# Altium PCB usb_can_8.PcbDoc (part 3 of 4)
Units mil, origin at the board's own origin, x right, y up, seen from the top; angles counter-clockwise.
Board outline 3730 x 3762.41 mil, 2 copper layers (Top Layer, Bottom Layer); 368 components, 37 nets, 1564 pads, 1600 vias.
Unrouted connection lines stored in the file: 259.
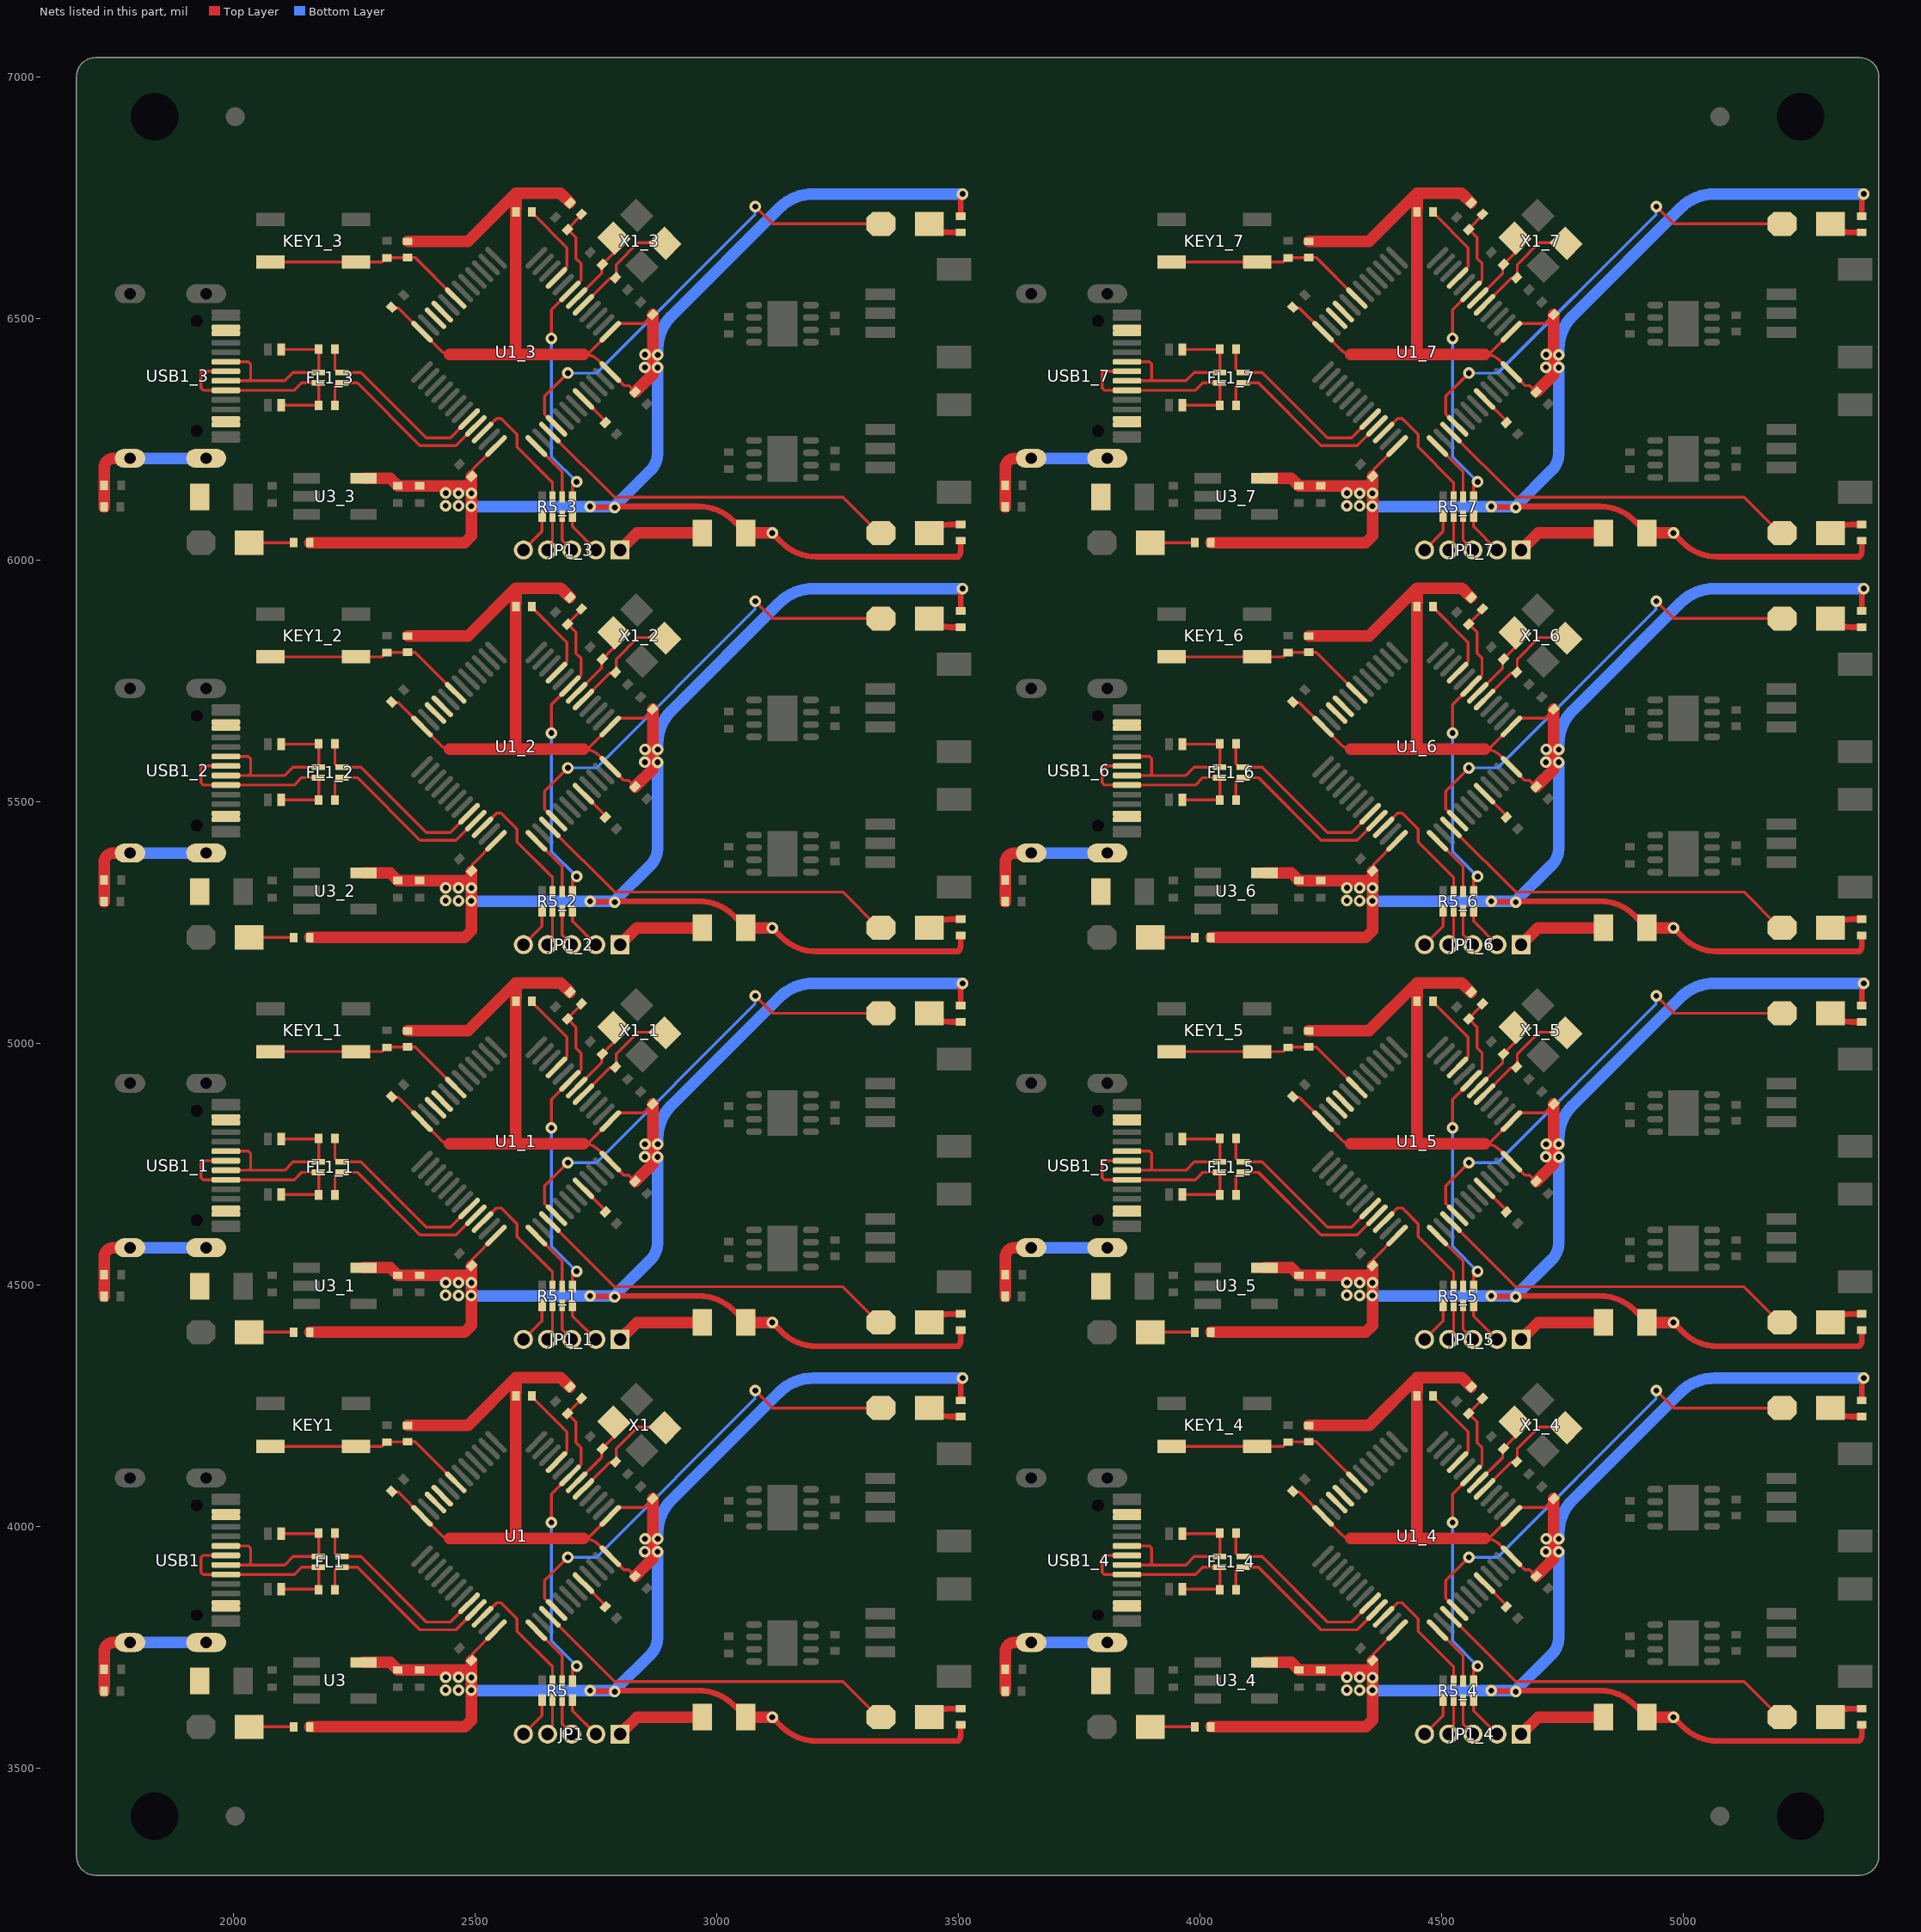
[diagram p3: the nets of this part, all layers, seen from the top]

## Via types
v1: diameter 24, hole 12, Top Layer to Bottom Layer, tented both sides, 1600 vias

## Nets (pads, with @x,y where several pads share a name; then routed paths per layer and width w, separated by ;. In a path a pad name is that pad's centre, name@x,y a point inside that pad or via, vN(x,y) a via of type N, cw(c..) or ccw(c..) an arc to the next point about the centre after c; other vN are vias at no path point) (continued)
KEY: C12.2 C12_1.2 C12_2.2 C12_3.2 C12_4.2 C12_5.2 C12_6.2 C12_7.2 KEY1.1 KEY1_1.1 KEY1_2.1 KEY1_3.1 KEY1_4.1 KEY1_5.1 KEY1_6.1 KEY1_7.1 R6.2 R6_1.2 R6_2.2 R6_3.2 R6_4.2 R6_5.2 R6_6.2 R6_7.2 U1.19 U1_1.19 U1_2.19 U1_3.19 U1_4.19 U1_5.19 U1_6.19 U1_7.19 | length 3376.7
  Top Layer w6: KEY1.1@2076.42,4165.71 KEY1.1@2253.58,4165.71 2307.31,4165.71 2315.96,4174.36 C12.2@2317.93,4174.36 2318.42,4174.85 2359.86,4174.85 R6.2@2360.35,4175.34 2375.75,4175.34 U1.19@2459.73,4091.36 ; KEY1_1.1@2076.42,4982.71 KEY1_1.1@2253.58,4982.71 2307.31,4982.71 2315.96,4991.36 C12_1.2@2317.93,4991.36 2318.42,4991.85 2359.86,4991.85 R6_1.2@2360.35,4992.34 2375.75,4992.34 U1_1.19@2459.73,4908.36 ; KEY1_2.1@2076.42,5799.71 KEY1_2.1@2253.58,5799.71 2307.31,5799.71 2315.96,5808.36 C12_2.2@2317.93,5808.36 2318.42,5808.85 2359.86,5808.85 R6_2.2@2360.35,5809.34 2375.75,5809.34 U1_2.19@2459.73,5725.36 ; KEY1_3.1@2076.42,6616.71 KEY1_3.1@2253.58,6616.71 2307.31,6616.71 2315.96,6625.36 C12_3.2@2317.93,6625.36 2318.42,6625.85 2359.86,6625.85 R6_3.2@2360.35,6626.34 2375.75,6626.34 U1_3.19@2459.73,6542.36 ; KEY1_4.1@3941.42,4165.71 KEY1_4.1@4118.58,4165.71 4172.31,4165.71 4180.96,4174.36 C12_4.2@4182.93,4174.36 4183.42,4174.85 4224.86,4174.85 R6_4.2@4225.35,4175.34 4240.75,4175.34 U1_4.19@4324.73,4091.36 ; KEY1_5.1@3941.42,4982.71 KEY1_5.1@4118.58,4982.71 4172.31,4982.71 4180.96,4991.36 C12_5.2@4182.93,4991.36 4183.42,4991.85 4224.86,4991.85 R6_5.2@4225.35,4992.34 4240.75,4992.34 U1_5.19@4324.73,4908.36 ; KEY1_6.1@3941.42,5799.71 KEY1_6.1@4118.58,5799.71 4172.31,5799.71 4180.96,5808.36 C12_6.2@4182.93,5808.36 4183.42,5808.85 4224.86,5808.85 R6_6.2@4225.35,5809.34 4240.75,5809.34 U1_6.19@4324.73,5725.36 ; KEY1_7.1@3941.42,6616.71 KEY1_7.1@4118.58,6616.71 4172.31,6616.71 4180.96,6625.36 C12_7.2@4182.93,6625.36 4183.42,6625.85 4224.86,6625.85 R6_7.2@4225.35,6626.34 4240.75,6626.34 U1_7.19@4324.73,6542.36
LED1: LED2.2 LED2_1.2 LED2_2.2 LED2_3.2 LED2_4.2 LED2_5.2 LED2_6.2 LED2_7.2 U1.40 U1_1.40 U1_2.40 U1_3.40 U1_4.40 U1_5.40 U1_6.40 U1_7.40 | length 7634.7
  Top Layer w6: U1.40@2668.51,3826.89 2644,3851.4 2644,3888 v1(2692,3936) ; U1_1.40@2668.51,4643.89 2644,4668.4 2644,4705 v1(2692,4753) ; U1_2.40@2668.51,5460.89 2644,5485.4 2644,5522 v1(2692,5570) ; U1_3.40@2668.51,6277.89 2644,6302.4 2644,6339 v1(2692,6387) ; v1(3080,4281) 3116,4245 LED2.2@3340,4245 ; v1(3080,5098) 3116,5062 LED2_1.2@3340,5062 ; v1(3080,5915) 3116,5879 LED2_2.2@3340,5879 ; v1(3080,6732) 3116,6696 LED2_3.2@3340,6696 ; U1_4.40@4533.51,3826.89 4509,3851.4 4509,3888 v1(4557,3936) ; U1_5.40@4533.51,4643.89 4509,4668.4 4509,4705 v1(4557,4753) ; U1_6.40@4533.51,5460.89 4509,5485.4 4509,5522 v1(4557,5570) ; U1_7.40@4533.51,6277.89 4509,6302.4 4509,6339 v1(4557,6387) ; v1(4945,4281) 4981,4245 LED2_4.2@5205,4245 ; v1(4945,5098) 4981,5062 LED2_5.2@5205,5062 ; v1(4945,5915) 4981,5879 LED2_6.2@5205,5879 ; v1(4945,6732) 4981,6696 LED2_7.2@5205,6696
  Bottom Layer w6: v1(2692,3936) 2751,3936 3079.15,4264.15 3079.15,4280.15 v1(3080,4281) ; v1(2692,4753) 2751,4753 3079.15,5081.15 3079.15,5097.15 v1(3080,5098) ; v1(2692,5570) 2751,5570 3079.15,5898.15 3079.15,5914.15 v1(3080,5915) ; v1(2692,6387) 2751,6387 3079.15,6715.15 3079.15,6731.15 v1(3080,6732) ; v1(4557,3936) 4616,3936 4944.15,4264.15 4944.15,4280.15 v1(4945,4281) ; v1(4557,4753) 4616,4753 4944.15,5081.15 4944.15,5097.15 v1(4945,5098) ; v1(4557,5570) 4616,5570 4944.15,5898.15 4944.15,5914.15 v1(4945,5915) ; v1(4557,6387) 4616,6387 4944.15,6715.15 4944.15,6731.15 v1(4945,6732)
LED2: LED3.2 LED3_1.2 LED3_2.2 LED3_3.2 LED3_4.2 LED3_5.2 LED3_6.2 LED3_7.2 U1.39 U1_1.39 U1_2.39 U1_3.39 U1_4.39 U1_5.39 U1_6.39 U1_7.39 | length 6172.4
  Top Layer w6: U1.39@2654.59,3812.96 2788.56,3679 3261,3679 3335,3605 LED3.2@3340,3605 ; U1_1.39@2654.59,4629.96 2788.56,4496 3261,4496 3335,4422 LED3_1.2@3340,4422 ; U1_2.39@2654.59,5446.96 2788.56,5313 3261,5313 3335,5239 LED3_2.2@3340,5239 ; U1_3.39@2654.59,6263.96 2788.56,6130 3261,6130 3335,6056 LED3_3.2@3340,6056 ; U1_4.39@4519.59,3812.96 4653.56,3679 5126,3679 5200,3605 LED3_4.2@5205,3605 ; U1_5.39@4519.59,4629.96 4653.56,4496 5126,4496 5200,4422 LED3_5.2@5205,4422 ; U1_6.39@4519.59,5446.96 4653.56,5313 5126,5313 5200,5239 LED3_6.2@5205,5239 ; U1_7.39@4519.59,6263.96 4653.56,6130 5126,6130 5200,6056 LED3_7.2@5205,6056
NetC1_2: C1.2 C1_1.2 C1_2.2 C1_3.2 C1_4.2 C1_5.2 C1_6.2 C1_7.2 U1.5 U1_1.5 U1_2.5 U1_3.5 U1_4.5 U1_5.5 U1_6.5 U1_7.5 X1.1 X1_1.1 X1_2.1 X1_3.1 X1_4.1 X1_5.1 X1_6.1 X1_7.1 | length 1901.6
  Top Layer w6: U1.5@2724.19,4077.43 2758.84,4112.08 2778.93,4132.17 2789.19,4132.17 C1.2@2790.58,4133.56 2791.97,4134.95 2791.97,4160.97 2836.82,4205.82 2891.5,4205.82 X1.1@2892.89,4204.43 ; U1_1.5@2724.19,4894.43 2758.84,4929.08 2778.93,4949.17 2789.19,4949.17 C1_1.2@2790.58,4950.56 2791.97,4951.95 2791.97,4977.97 2836.82,5022.82 2891.5,5022.82 X1_1.1@2892.89,5021.43 ; U1_2.5@2724.19,5711.43 2758.84,5746.08 2778.93,5766.17 2789.19,5766.17 C1_2.2@2790.58,5767.56 2791.97,5768.95 2791.97,5794.97 2836.82,5839.82 2891.5,5839.82 X1_2.1@2892.89,5838.43 ; U1_3.5@2724.19,6528.43 2758.84,6563.08 2778.93,6583.17 2789.19,6583.17 C1_3.2@2790.58,6584.56 2791.97,6585.95 2791.97,6611.97 2836.82,6656.82 2891.5,6656.82 X1_3.1@2892.89,6655.43 ; U1_4.5@4589.19,4077.43 4623.84,4112.08 4643.93,4132.17 4654.19,4132.17 C1_4.2@4655.58,4133.56 4656.97,4134.95 4656.97,4160.97 4701.82,4205.82 4756.5,4205.82 X1_4.1@4757.89,4204.43 ; U1_5.5@4589.19,4894.43 4623.84,4929.08 4643.93,4949.17 4654.19,4949.17 C1_5.2@4655.58,4950.56 4656.97,4951.95 4656.97,4977.97 4701.82,5022.82 4756.5,5022.82 X1_5.1@4757.89,5021.43 ; U1_6.5@4589.19,5711.43 4623.84,5746.08 4643.93,5766.17 4654.19,5766.17 C1_6.2@4655.58,5767.56 4656.97,5768.95 4656.97,5794.97 4701.82,5839.82 4756.5,5839.82 X1_6.1@4757.89,5838.43 ; U1_7.5@4589.19,6528.43 4623.84,6563.08 4643.93,6583.17 4654.19,6583.17 C1_7.2@4655.58,6584.56 4656.97,6585.95 4656.97,6611.97 4701.82,6656.82 4756.5,6656.82 X1_7.1@4757.89,6655.43
NetC2_2: C2.2 C2_1.2 C2_2.2 C2_3.2 C2_4.2 C2_5.2 C2_6.2 C2_7.2 U1.6 U1_1.6 U1_2.6 U1_3.6 U1_4.6 U1_5.6 U1_6.6 U1_7.6 X1.3 X1_1.3 X1_2.3 X1_3.3 X1_4.3 X1_5.3 X1_6.3 X1_7.3 | length 1253
  Top Layer w6: U1.6@2710.27,4091.36 2761.74,4142.83 2761.74,4159.62 C2.2@2763.13,4161.01 2787.82,4185.69 2787.82,4214.86 X1.3@2787.11,4215.57 ; U1_1.6@2710.27,4908.36 2761.74,4959.83 2761.74,4976.62 C2_1.2@2763.13,4978.01 2787.82,5002.69 2787.82,5031.86 X1_1.3@2787.11,5032.57 ; U1_2.6@2710.27,5725.36 2761.74,5776.83 2761.74,5793.62 C2_2.2@2763.13,5795.01 2787.82,5819.69 2787.82,5848.86 X1_2.3@2787.11,5849.57 ; U1_3.6@2710.27,6542.36 2761.74,6593.83 2761.74,6610.62 C2_3.2@2763.13,6612.01 2787.82,6636.69 2787.82,6665.86 X1_3.3@2787.11,6666.57 ; U1_4.6@4575.27,4091.36 4626.74,4142.83 4626.74,4159.62 C2_4.2@4628.13,4161.01 4652.82,4185.69 4652.82,4214.86 X1_4.3@4652.11,4215.57 ; U1_5.6@4575.27,4908.36 4626.74,4959.83 4626.74,4976.62 C2_5.2@4628.13,4978.01 4652.82,5002.69 4652.82,5031.86 X1_5.3@4652.11,5032.57 ; U1_6.6@4575.27,5725.36 4626.74,5776.83 4626.74,5793.62 C2_6.2@4628.13,5795.01 4652.82,5819.69 4652.82,5848.86 X1_6.3@4652.11,5849.57 ; U1_7.6@4575.27,6542.36 4626.74,6593.83 4626.74,6610.62 C2_7.2@4628.13,6612.01 4652.82,6636.69 4652.82,6665.86 X1_7.3@4652.11,6666.57
NetC14_2: C14.2 C14_1.2 C14_2.2 C14_3.2 C14_4.2 C14_5.2 C14_6.2 C14_7.2 R13.2 R13_1.2 R13_2.2 R13_3.2 R13_4.2 R13_5.2 R13_6.2 R13_7.2 USB1.1 USB1.4 USB1_1.1 USB1_1.4 USB1_2.1 USB1_2.4 USB1_3.1 USB1_3.4 USB1_4.1 USB1_4.4 USB1_5.1 USB1_5.4 USB1_6.1 USB1_6.4 USB1_7.1 USB1_7.4 | length 2426.6
  Top Layer w24: R13.2@1732.29,3659 C14.2@1732.29,3704 1732.29,3740.21 cw(c1751.79,3740.21) 1738,3754 cw(c1751.82,3740.18) 1751.82,3759.72 USB1.1@1785.79,3759.72 ; R13_1.2@1732.29,4476 C14_1.2@1732.29,4521 1732.29,4557.21 cw(c1751.79,4557.21) 1738,4571 cw(c1751.82,4557.18) 1751.82,4576.72 USB1_1.1@1785.79,4576.72 ; R13_2.2@1732.29,5293 C14_2.2@1732.29,5338 1732.29,5374.21 cw(c1751.79,5374.21) 1738,5388 cw(c1751.82,5374.18) 1751.82,5393.72 USB1_2.1@1785.79,5393.72 ; R13_3.2@1732.29,6110 C14_3.2@1732.29,6155 1732.29,6191.21 cw(c1751.79,6191.21) 1738,6205 cw(c1751.82,6191.18) 1751.82,6210.72 USB1_3.1@1785.79,6210.72 ; R13_4.2@3597.29,3659 C14_4.2@3597.29,3704 3597.29,3740.21 cw(c3616.79,3740.21) 3603,3754 cw(c3616.82,3740.18) 3616.82,3759.72 USB1_4.1@3650.79,3759.72 ; R13_5.2@3597.29,4476 C14_5.2@3597.29,4521 3597.29,4557.21 cw(c3616.79,4557.21) 3603,4571 cw(c3616.82,4557.18) 3616.82,4576.72 USB1_5.1@3650.79,4576.72 ; R13_6.2@3597.29,5293 C14_6.2@3597.29,5338 3597.29,5374.21 cw(c3616.79,5374.21) 3603,5388 cw(c3616.82,5374.18) 3616.82,5393.72 USB1_6.1@3650.79,5393.72 ; R13_7.2@3597.29,6110 C14_7.2@3597.29,6155 3597.29,6191.21 cw(c3616.79,6191.21) 3603,6205 cw(c3616.82,6191.18) 3616.82,6210.72 USB1_7.1@3650.79,6210.72
  Bottom Layer w24: USB1.1@1785.79,3759.72 USB1.4@1943.27,3759.72 ; USB1_1.1@1785.79,4576.72 USB1_1.4@1943.27,4576.72 ; USB1_2.1@1785.79,5393.72 USB1_2.4@1943.27,5393.72 ; USB1_3.1@1785.79,6210.72 USB1_3.4@1943.27,6210.72 ; USB1_4.1@3650.79,3759.72 USB1_4.4@3808.27,3759.72 ; USB1_5.1@3650.79,4576.72 USB1_5.4@3808.27,4576.72 ; USB1_6.1@3650.79,5393.72 USB1_6.4@3808.27,5393.72 ; USB1_7.1@3650.79,6210.72 USB1_7.4@3808.27,6210.72
NetF1_2: F1.2 F1_1.2 F1_2.2 F1_3.2 F1_4.2 F1_5.2 F1_6.2 F1_7.2 JP1.1 JP1_1.1 JP1_2.1 JP1_3.1 JP1_4.1 JP1_5.1 JP1_6.1 JP1_7.1 | length 1476
  Top Layer w24: JP1.1@2800,3570 2835,3605 F1.2@2970,3605 ; JP1_1.1@2800,4387 2835,4422 F1_1.2@2970,4422 ; JP1_2.1@2800,5204 2835,5239 F1_2.2@2970,5239 ; JP1_3.1@2800,6021 2835,6056 F1_3.2@2970,6056 ; JP1_4.1@4665,3570 4700,3605 F1_4.2@4835,3605 ; JP1_5.1@4665,4387 4700,4422 F1_5.2@4835,4422 ; JP1_6.1@4665,5204 4700,5239 F1_6.2@4835,5239 ; JP1_7.1@4665,6021 4700,6056 F1_7.2@4835,6056
NetJP1_2: JP1.2 JP1_1.2 JP1_2.2 JP1_3.2 JP1_4.2 JP1_5.2 JP1_6.2 JP1_7.2 R5.8 R5_1.8 R5_2.8 R5_3.8 R5_4.8 R5_5.8 R5_6.8 R5_7.8 | length 723.2
  Top Layer w6: R5.8@2701.5,3640.32 2701.5,3618.5 JP1.2@2750,3570 ; R5_1.8@2701.5,4457.31 2701.5,4435.5 JP1_1.2@2750,4387 ; R5_2.8@2701.5,5274.31 2701.5,5252.5 JP1_2.2@2750,5204 ; R5_3.8@2701.5,6091.31 2701.5,6069.5 JP1_3.2@2750,6021 ; R5_4.8@4566.5,3640.32 4566.5,3618.5 JP1_4.2@4615,3570 ; R5_5.8@4566.5,4457.31 4566.5,4435.5 JP1_5.2@4615,4387 ; R5_6.8@4566.5,5274.31 4566.5,5252.5 JP1_6.2@4615,5204 ; R5_7.8@4566.5,6091.31 4566.5,6069.5 JP1_7.2@4615,6021
NetJP1_3: JP1.3 JP1_1.3 JP1_2.3 JP1_3.3 JP1_4.3 JP1_5.3 JP1_6.3 JP1_7.3 R5.7 R5_1.7 R5_2.7 R5_3.7 R5_4.7 R5_5.7 R5_6.7 R5_7.7 | length 629.3
  Top Layer w6: R5.7@2679.84,3640.32 2679.84,3590.41 2700,3570.25 JP1.3@2700,3570 ; R5_1.7@2679.84,4457.31 2679.84,4407.41 2700,4387.25 JP1_1.3@2700,4387 ; R5_2.7@2679.84,5274.31 2679.84,5224.41 2700,5204.25 JP1_2.3@2700,5204 ; R5_3.7@2679.84,6091.31 2679.84,6041.41 2700,6021.25 JP1_3.3@2700,6021 ; R5_4.7@4544.84,3640.32 4544.84,3590.41 4565,3570.25 JP1_4.3@4565,3570 ; R5_5.7@4544.84,4457.31 4544.84,4407.41 4565,4387.25 JP1_5.3@4565,4387 ; R5_6.7@4544.84,5274.31 4544.84,5224.41 4565,5204.25 JP1_6.3@4565,5204 ; R5_7.7@4544.84,6091.31 4544.84,6041.41 4565,6021.25 JP1_7.3@4565,6021
NetJP1_4: JP1.4 JP1_1.4 JP1_2.4 JP1_3.4 JP1_4.4 JP1_5.4 JP1_6.4 JP1_7.4 R5.6 R5_1.6 R5_2.6 R5_3.6 R5_4.6 R5_5.6 R5_6.6 R5_7.6 | length 596.2
  Top Layer w6: JP1.4@2650,3570 2650,3579.03 2660.16,3589.19 R5.6@2660.16,3640.32 ; JP1_1.4@2650,4387 2650,4396.03 2660.16,4406.19 R5_1.6@2660.16,4457.31 ; JP1_2.4@2650,5204 2650,5213.03 2660.16,5223.19 R5_2.6@2660.16,5274.31 ; JP1_3.4@2650,6021 2650,6030.03 2660.16,6040.19 R5_3.6@2660.16,6091.31 ; JP1_4.4@4515,3570 4515,3579.03 4525.16,3589.19 R5_4.6@4525.16,3640.32 ; JP1_5.4@4515,4387 4515,4396.03 4525.16,4406.19 R5_5.6@4525.16,4457.31 ; JP1_6.4@4515,5204 4515,5213.03 4525.16,5223.19 R5_6.6@4525.16,5274.31 ; JP1_7.4@4515,6021 4515,6030.03 4525.16,6040.19 R5_7.6@4525.16,6091.31
NetJP1_5: JP1.5 JP1_1.5 JP1_2.5 JP1_3.5 JP1_4.5 JP1_5.5 JP1_6.5 JP1_7.5 R5.5 R5_1.5 R5_2.5 R5_3.5 R5_4.5 R5_5.5 R5_6.5 R5_7.5 | length 690.1
  Top Layer w6: JP1.5@2600,3570 2638.5,3608.5 R5.5@2638.5,3640.32 ; JP1_1.5@2600,4387 2638.5,4425.5 R5_1.5@2638.5,4457.31 ; JP1_2.5@2600,5204 2638.5,5242.5 R5_2.5@2638.5,5274.31 ; JP1_3.5@2600,6021 2638.5,6059.5 R5_3.5@2638.5,6091.31 ; JP1_4.5@4465,3570 4503.5,3608.5 R5_4.5@4503.5,3640.32 ; JP1_5.5@4465,4387 4503.5,4425.5 R5_5.5@4503.5,4457.31 ; JP1_6.5@4465,5204 4503.5,5242.5 R5_6.5@4503.5,5274.31 ; JP1_7.5@4465,6021 4503.5,6059.5 R5_7.5@4503.5,6091.31
NetLED1_1: LED1.1 LED1_1.1 LED1_2.1 LED1_3.1 LED1_4.1 LED1_5.1 LED1_6.1 LED1_7.1 R7.1 R7_1.1 R7_2.1 R7_3.1 R7_4.1 R7_5.1 R7_6.1 R7_7.1 | length 734
  Top Layer w6: LED1.1@2032.5,3585 R7.1@2124.25,3585 ; LED1_1.1@2032.5,4402 R7_1.1@2124.25,4402 ; LED1_2.1@2032.5,5219 R7_2.1@2124.25,5219 ; LED1_3.1@2032.5,6036 R7_3.1@2124.25,6036 ; LED1_4.1@3897.5,3585 R7_4.1@3989.25,3585 ; LED1_5.1@3897.5,4402 R7_5.1@3989.25,4402 ; LED1_6.1@3897.5,5219 R7_6.1@3989.25,5219 ; LED1_7.1@3897.5,6036 R7_7.1@3989.25,6036
NetLED2_1: LED2.1 LED2_1.1 LED2_2.1 LED2_3.1 LED2_4.1 LED2_5.1 LED2_6.1 LED2_7.1 R9.2 R9_1.2 R9_2.2 R9_3.2 R9_4.2 R9_5.2 R9_6.2 R9_7.2 | length 557.9
  Top Layer w12: LED2.1@3440,4245 ccw(c3482.76,4287.76) 3482.76,4227.29 R9.2@3505,4227.29 ; LED2_1.1@3440,5062 ccw(c3482.76,5104.76) 3482.76,5044.29 R9_1.2@3505,5044.29 ; LED2_2.1@3440,5879 ccw(c3482.76,5921.76) 3482.76,5861.29 R9_2.2@3505,5861.29 ; LED2_3.1@3440,6696 ccw(c3482.76,6738.76) 3482.76,6678.29 R9_3.2@3505,6678.29 ; LED2_4.1@5305,4245 ccw(c5347.76,4287.76) 5347.76,4227.29 R9_4.2@5370,4227.29 ; LED2_5.1@5305,5062 ccw(c5347.76,5104.76) 5347.76,5044.29 R9_5.2@5370,5044.29 ; LED2_6.1@5305,5879 ccw(c5347.76,5921.76) 5347.76,5861.29 R9_6.2@5370,5861.29 ; LED2_7.1@5305,6696 ccw(c5347.76,6738.76) 5347.76,6678.29 R9_7.2@5370,6678.29
NetLED3_1: LED3.1 LED3_1.1 LED3_2.1 LED3_3.1 LED3_4.1 LED3_5.1 LED3_6.1 LED3_7.1 R10.2 R10_1.2 R10_2.2 R10_3.2 R10_4.2 R10_5.2 R10_6.2 R10_7.2 | length 557.9
  Top Layer w12: LED3.1@3440,3605 cw(c3482.76,3562.24) 3482.76,3622.71 R10.2@3505,3622.71 ; LED3_1.1@3440,4422 cw(c3482.76,4379.24) 3482.76,4439.71 R10_1.2@3505,4439.71 ; LED3_2.1@3440,5239 cw(c3482.76,5196.24) 3482.76,5256.71 R10_2.2@3505,5256.71 ; LED3_3.1@3440,6056 cw(c3482.76,6013.24) 3482.76,6073.71 R10_3.2@3505,6073.71 ; LED3_4.1@5305,3605 cw(c5347.76,3562.24) 5347.76,3622.71 R10_4.2@5370,3622.71 ; LED3_5.1@5305,4422 cw(c5347.76,4379.24) 5347.76,4439.71 R10_5.2@5370,4439.71 ; LED3_6.1@5305,5239 cw(c5347.76,5196.24) 5347.76,5256.71 R10_6.2@5370,5256.71 ; LED3_7.1@5305,6056 cw(c5347.76,6013.24) 5347.76,6073.71 R10_7.2@5370,6073.71
NetR1_1: R1.1 R1_1.1 R1_2.1 R1_3.1 R1_4.1 R1_5.1 R1_6.1 R1_7.1 U1.44 U1_1.44 U1_2.44 U1_3.44 U1_4.44 U1_5.44 U1_6.44 U1_7.44 | length 540.9
  Top Layer w6: U1.44@2724.19,3882.57 2769.29,3837.47 R1.1@2769.29,3833.64 ; U1_1.44@2724.19,4699.57 2769.29,4654.47 R1_1.1@2769.29,4650.64 ; U1_2.44@2724.19,5516.57 2769.29,5471.47 R1_2.1@2769.29,5467.64 ; U1_3.44@2724.19,6333.57 2769.29,6288.47 R1_3.1@2769.29,6284.64 ; U1_4.44@4589.19,3882.57 4634.29,3837.47 R1_4.1@4634.29,3833.64 ; U1_5.44@4589.19,4699.57 4634.29,4654.47 R1_5.1@4634.29,4650.64 ; U1_6.44@4589.19,5516.57 4634.29,5471.47 R1_6.1@4634.29,5467.64 ; U1_7.44@4589.19,6333.57 4634.29,6288.47 R1_7.1@4634.29,6284.64
NetR2_2: R2.2 R2_1.2 R2_2.2 R2_3.2 R2_4.2 R2_5.2 R2_6.2 R2_7.2 U1.9 U1_1.9 U1_2.9 U1_3.9 U1_4.9 U1_5.9 U1_6.9 U1_7.9 | length 1405.9
  Top Layer w6: R2.2@2617.71,4270 2617.71,4268.03 2690,4195.74 2690,4155.84 2668.52,4134.36 U1.9@2668.52,4133.11 ; R2_1.2@2617.71,5087 2617.71,5085.03 2690,5012.74 2690,4972.84 2668.52,4951.36 U1_1.9@2668.52,4950.11 ; R2_2.2@2617.71,5904 2617.71,5902.03 2690,5829.74 2690,5789.84 2668.52,5768.36 U1_2.9@2668.52,5767.11 ; R2_3.2@2617.71,6721 2617.71,6719.03 2690,6646.74 2690,6606.84 2668.52,6585.36 U1_3.9@2668.52,6584.11 ; R2_4.2@4482.71,4270 4482.71,4268.03 4555,4195.74 4555,4155.84 4533.52,4134.36 U1_4.9@4533.52,4133.11 ; R2_5.2@4482.71,5087 4482.71,5085.03 4555,5012.74 4555,4972.84 4533.52,4951.36 U1_5.9@4533.52,4950.11 ; R2_6.2@4482.71,5904 4482.71,5902.03 4555,5829.74 4555,5789.84 4533.52,5768.36 U1_6.9@4533.52,5767.11 ; R2_7.2@4482.71,6721 4482.71,6719.03 4555,6646.74 4555,6606.84 4533.52,6585.36 U1_7.9@4533.52,6584.11
NRST: C3.1 C3_1.1 C3_2.1 C3_3.1 C3_4.1 C3_5.1 C3_6.1 C3_7.1 R3.1 R3_1.1 R3_2.1 R3_3.1 R3_4.1 R3_5.1 R3_6.1 R3_7.1 R5.1 R5_1.1 R5_2.1 R5_3.1 R5_4.1 R5_5.1 R5_6.1 R5_7.1 U1.7 U1_1.7 U1_2.7 U1_3.7 U1_4.7 U1_5.7 U1_6.7 U1_7.7 | length 5269.9
  Top Layer w6: v1(2658,4008) 2658,4066.91 U1.7@2696.36,4105.27 2696.36,4105.57 2719,4128.22 2719,4163 2708.57,4173.43 2708.57,4216.43 C3.1@2691.53,4233.47 2691.53,4234.86 2720.14,4263.47 R3.1@2720.14,4264.86 ; v1(2658,4825) 2658,4883.91 U1_1.7@2696.36,4922.27 2696.36,4922.57 2719,4945.22 2719,4980 2708.57,4990.43 2708.57,5033.43 C3_1.1@2691.53,5050.47 2691.53,5051.86 2720.14,5080.47 R3_1.1@2720.14,5081.86 ; v1(2658,5642) 2658,5700.91 U1_2.7@2696.36,5739.27 2696.36,5739.57 2719,5762.22 2719,5797 2708.57,5807.43 2708.57,5850.43 C3_2.1@2691.53,5867.47 2691.53,5868.86 2720.14,5897.47 R3_2.1@2720.14,5898.86 ; v1(2658,6459) 2658,6517.91 U1_3.7@2696.36,6556.27 2696.36,6556.57 2719,6579.22 2719,6614 2708.57,6624.43 2708.57,6667.43 C3_3.1@2691.53,6684.47 2691.53,6685.86 2720.14,6714.47 R3_3.1@2720.14,6715.86 ; R5.1@2701.5,3679.69 2701.5,3702.5 v1(2710,3711) ; R5_1.1@2701.5,4496.69 2701.5,4519.5 v1(2710,4528) ; R5_2.1@2701.5,5313.69 2701.5,5336.5 v1(2710,5345) ; R5_3.1@2701.5,6130.69 2701.5,6153.5 v1(2710,6162) ; v1(4523,4008) 4523,4066.91 U1_4.7@4561.36,4105.27 4561.36,4105.57 4584,4128.22 4584,4163 4573.57,4173.43 4573.57,4216.43 C3_4.1@4556.53,4233.47 4556.53,4234.86 4585.14,4263.47 R3_4.1@4585.14,4264.86 ; v1(4523,4825) 4523,4883.91 U1_5.7@4561.36,4922.27 4561.36,4922.57 4584,4945.22 4584,4980 4573.57,4990.43 4573.57,5033.43 C3_5.1@4556.53,5050.47 4556.53,5051.86 4585.14,5080.47 R3_5.1@4585.14,5081.86 ; v1(4523,5642) 4523,5700.91 U1_6.7@4561.36,5739.27 4561.36,5739.57 4584,5762.22 4584,5797 4573.57,5807.43 4573.57,5850.43 C3_6.1@4556.53,5867.47 4556.53,5868.86 4585.14,5897.47 R3_6.1@4585.14,5898.86 ; v1(4523,6459) 4523,6517.91 U1_7.7@4561.36,6556.27 4561.36,6556.57 4584,6579.22 4584,6614 4573.57,6624.43 4573.57,6667.43 C3_7.1@4556.53,6684.47 4556.53,6685.86 4585.14,6714.47 R3_7.1@4585.14,6715.86 ; R5_4.1@4566.5,3679.69 4566.5,3702.5 v1(4575,3711) ; R5_5.1@4566.5,4496.69 4566.5,4519.5 v1(4575,4528) ; R5_6.1@4566.5,5313.69 4566.5,5336.5 v1(4575,5345) ; R5_7.1@4566.5,6130.69 4566.5,6153.5 v1(4575,6162)